# Altium PCB HeatPlatform_V1.1.PcbDoc
Units mil, origin at the board's own origin, x right, y up, seen from the top; angles counter-clockwise.
Board outline 2973.5 x 1681.07 mil, 2 copper layers (Top Layer, Bottom Layer); 33 components, 29 nets, 117 pads, 42 vias.
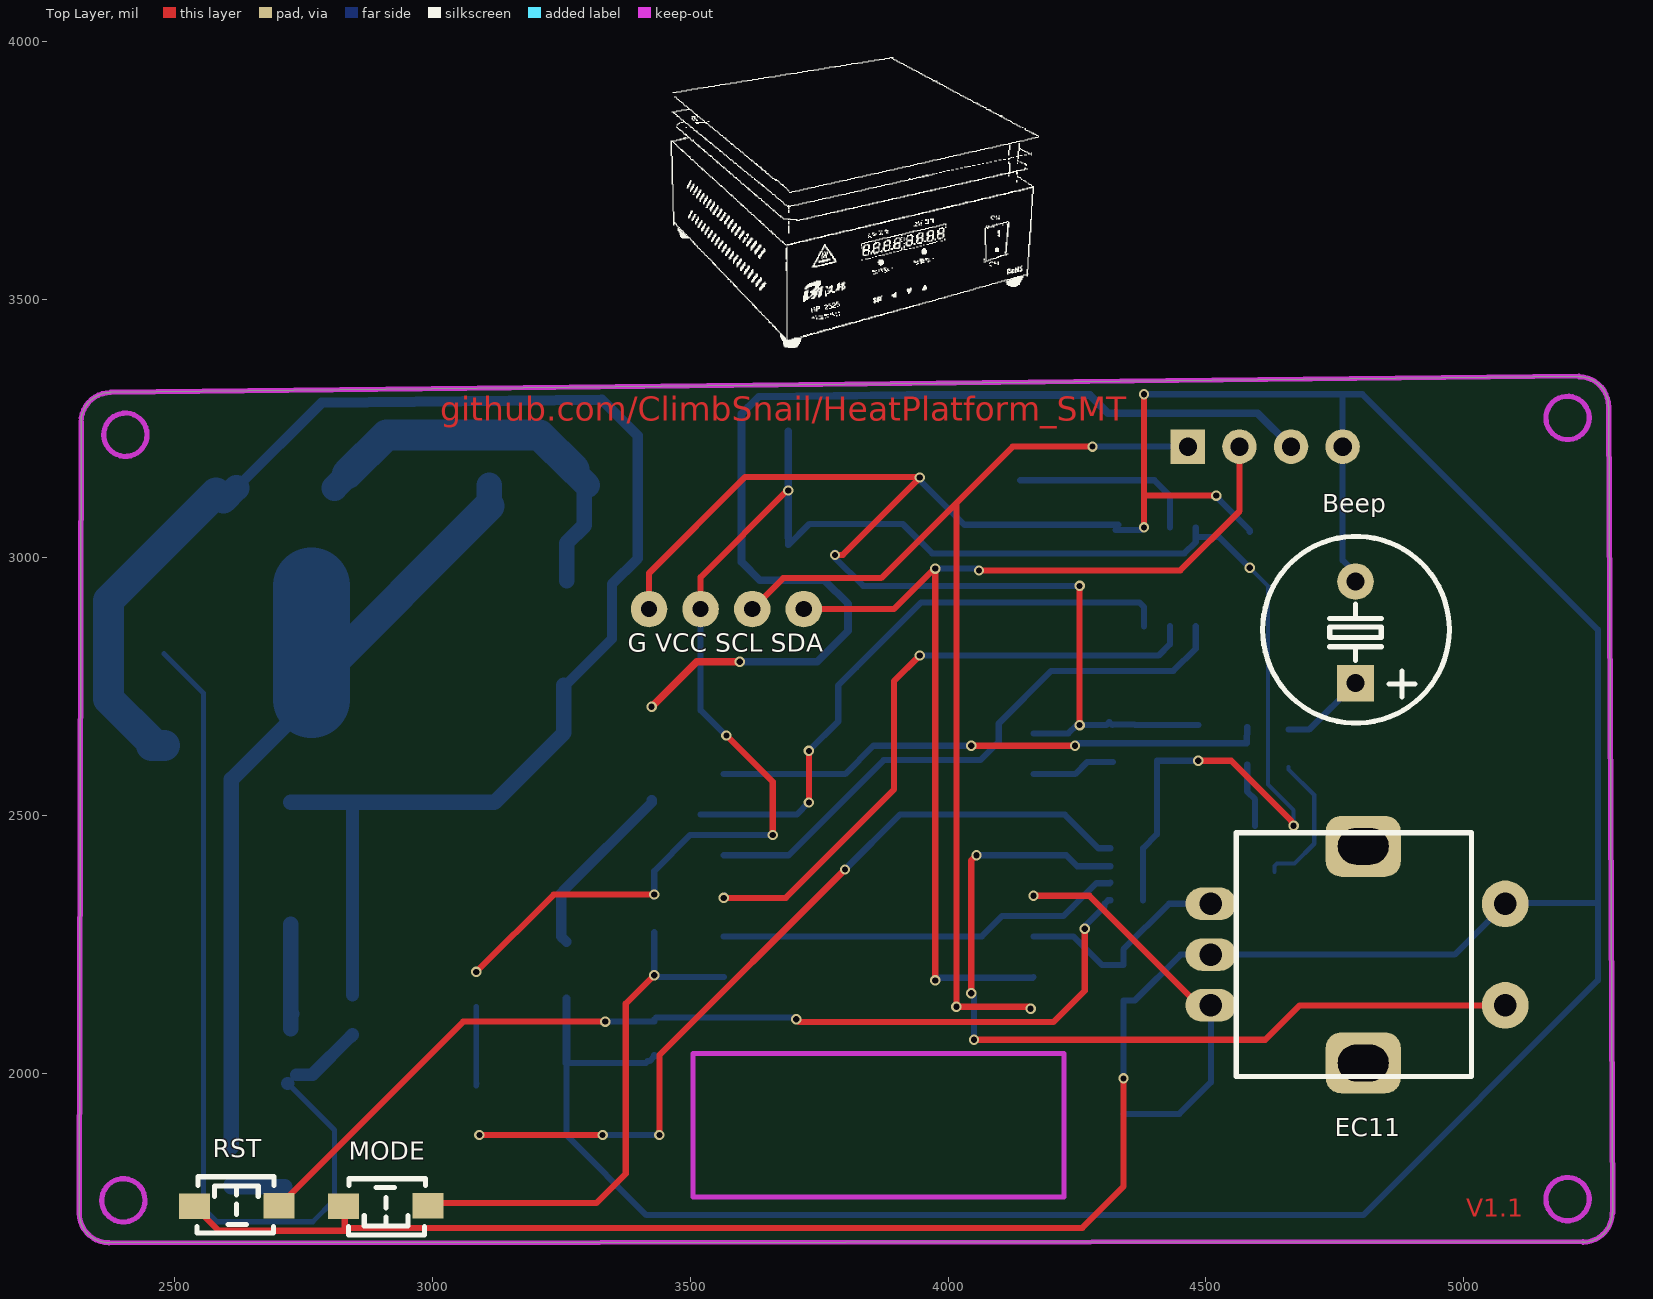
[diagram p0: Top Layer view]
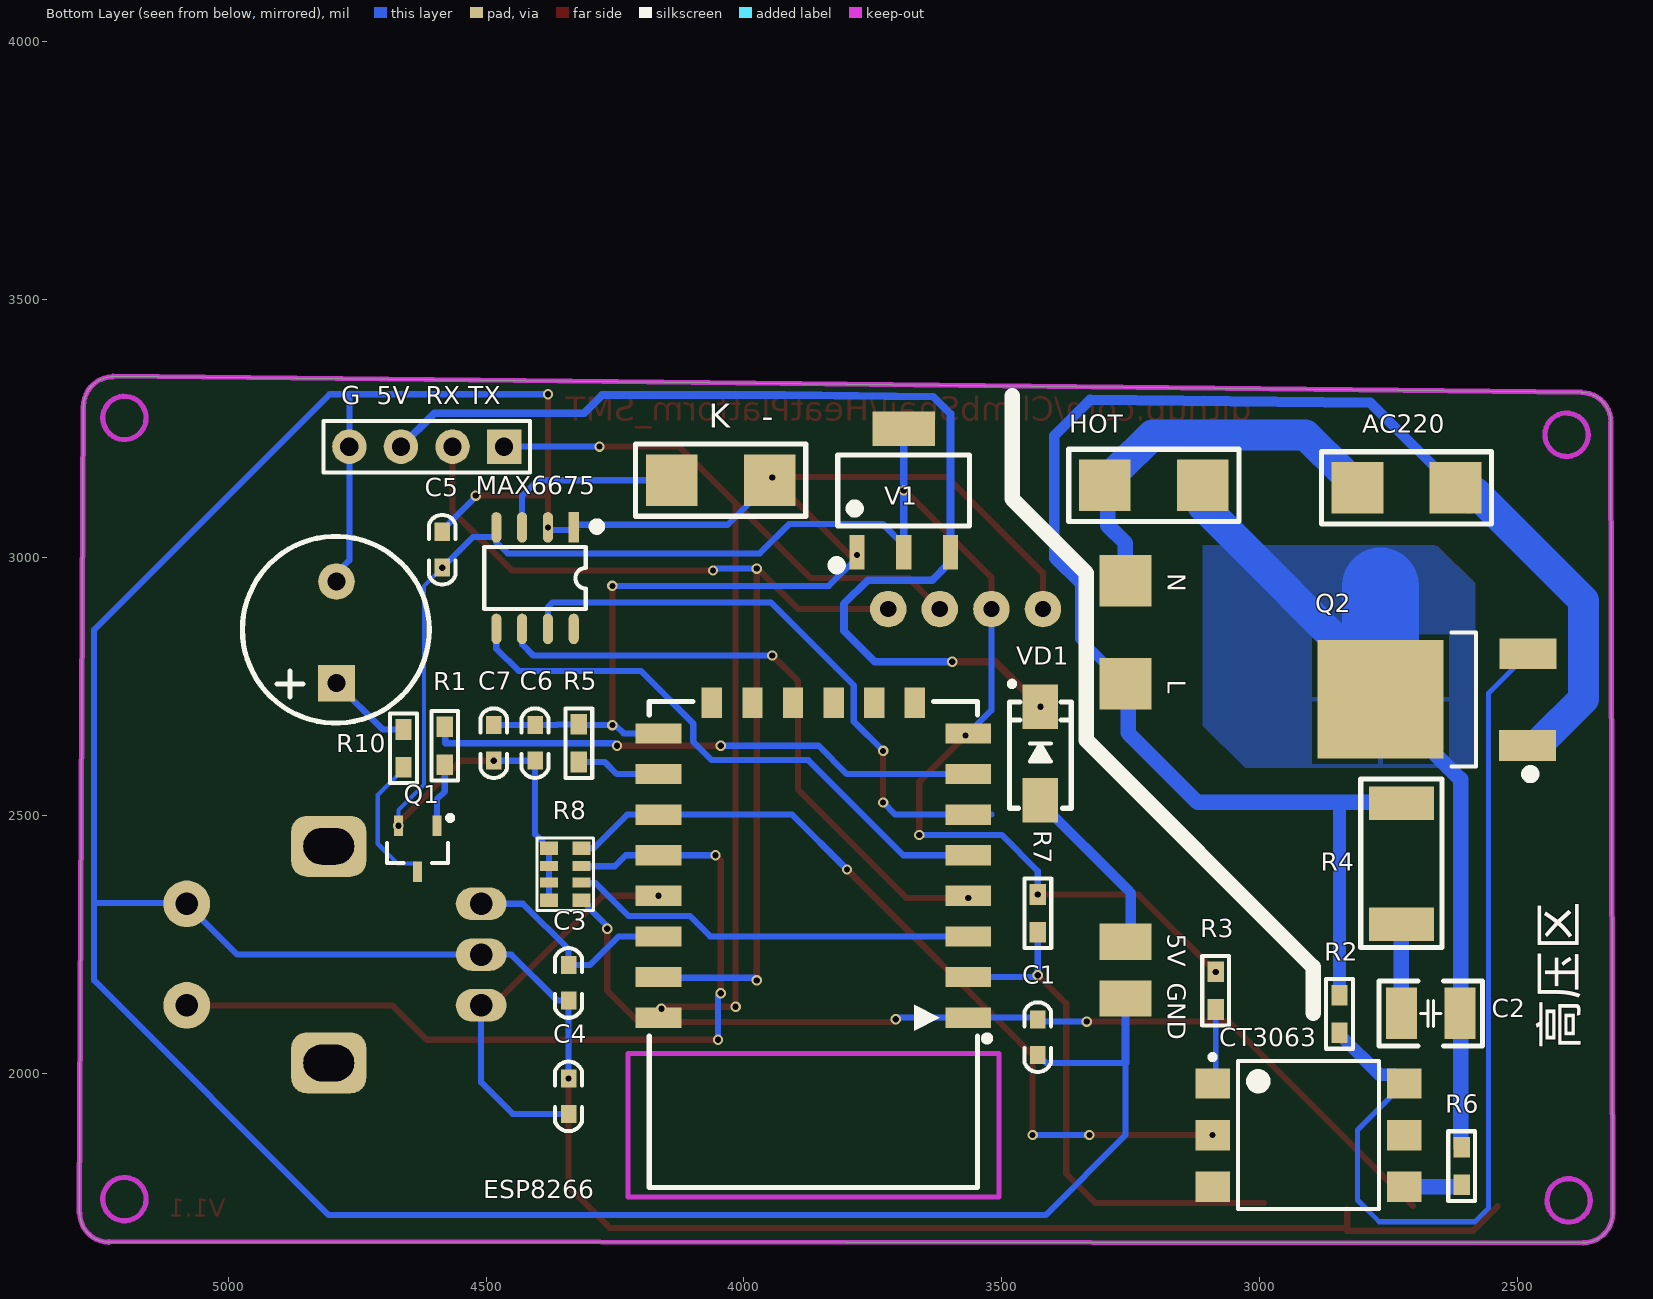
[diagram p1: Bottom Layer view, seen from below]

## Layer stack, top to bottom
Top Solder: solder mask 0.4, Solder Resist, Dk 3.5
Top Layer: signal copper 1.4
Dielectric 1: dielectric 12.6, FR-4, Dk 4.8
Bottom Layer: signal copper 1.4
Bottom Solder: solder mask 0.4, Solder Resist, Dk 3.5

## Board outline
2315.2,1728.46 ccw(c2372.55,1728.46) 2372.55,1671.1 2372.55,1670.77 5230.87,1673.63 5230.87,1672.08 ccw(c5230.87,1729.13) 5287.92,1729.13 5288.69,1729.13 5280.95,3293.49 5280.53,3293.49 ccw(c5223.43,3293.49) 5223.43,3350.59 5223.42,3351.84 2375.62,3320.5 2375.63,3319.85 ccw(c2375.63,3262.73) 2318.52,3262.73 2318.98,3262.87

## Design rules (kind name [scope] priority, off if disabled: settings)
Clearance [All] p1: gap=10 ignorepadtopadclearanceinfootprint=FALSE except(0: Arc-Hole Track-Hole SMDPad-Hole THPad-Hole Via-Hole Fill-Hole Poly-Hole Region-Hole Text-Hole)
HoleToHoleClearance [All] p1: gap=8 allowstackedmicrovias=TRUE
MinimumSolderMaskSliver [All] p1: minsoldermaskwidth=2
PolygonConnect [All] p1: connectstyle=Relief reliefconductorwidth=10 reliefentries=4 polygonreliefangle="90 Angle" airgapwidth=10
RoutingVias [All] p1: holewidth=12 width=20 viastyle="Through Hole" minholewidth=12 minwidth=20 maxholewidth=30 maxwidth=50
SilkToSilkClearance [All] p1: silktosilkclearance=5
SilkToSolderMaskClearance [IsPad] p1: minsilkscreentomaskgap=0 clearancetoexposedcopper=TRUE
SolderMaskExpansion [All] p1: expansion=4 istentingtop=FALSE
Width [All] p1: maxlimit=200 minlimit=6 preferedwidth=12
26 further rules are at their usual default settings.

## Components (designator, comment, footprint, x,y, rotation, side; value= is the part's Value field where it differs from the comment)
AC220 "HDR-1X2" HDR-1X2 2715,3140 r180 bottom (schematic designator JP1)
Beep "DC5V" "BEEP 5x9x5.5" 4790,2855 r0 top
C1 "104" "C 0603" 3430,2070 r90 bottom
C2 "10nF/1KV" "C 1210_L" 2668,2116 r0 bottom
C3 "104" "C 0603" 4340,2175 r270 bottom
C4 "104" "C 0603" 4340,1955 r270 bottom
C5 "104" "C 0603" 4585,3015 r270 bottom
C6 "104" "C 0603" 4405,2640.04 r270 bottom
C7 "10uF" "C 0603" 4485,2640.04 r270 bottom
CT3063 "CT3063" SMD-6 2905,1880 r180 bottom
EC11 "EC11" EC11 4795,2230 r180 top
ESP8266 "ESP8266-12E" ESP_12E 3550.24,2107.74 r0 bottom
"G  5V  RX TX" "Header4" HDR2.54-LI-4P 4615,3215 r0 bottom (schematic designator UART)
"G VCC SCL SDA" "OLED 0.96-12864_4pin" "OLED 0.96-12864_4pin" 3565,2340.55 r0 top (schematic designator OLED)
HOT "HDR-1X2" HDR-1X2 3205,3135 r0 bottom (schematic designator JP2)
"K   -" "HDR-1X2" HDR-1X2 4045,3145 r0 bottom (schematic designator JP3)
MAX6675 "MAX6675" SOP8_L 4405,2960 r270 bottom
MODE "3*4*2" "TSW SMD-3*4*2" 2910,1745 r180 top (schematic designator SW2)
"N           L                              5V  GND" "DA_PAN" DA_PAN 3255,2500 r90 bottom (schematic designator DA_PAN1)
Q1 "SS8550" SOT23-3L 4632.6,2435 r0 bottom
Q2 "BTA137_600E" TO252 2600,2725 r90 bottom
R1 "100R" "R 0603" 4580,2635 r270 bottom
R2 "330R" "R 0603" 2845,2115 r90 bottom
R3 "200R" "R 0603" 3085,2160 r90 bottom
R4 "39R/1W" "R 2512_L" 2725,2405 r90 bottom
R5 "1K" "R 0603" 4320,2640 r270 bottom
R6 "330R" "R 0603" 2608,1820 r270 bottom
R7 "10K" "R 0603" 3430,2310 r90 bottom
R8 "103" RCA-8P4R-0603 4346.5,2385.75 r270 bottom
R10 "1K" "R 0603" 4660,2630 r270 bottom
RST "3*4*2" "TSW SMD-3*4*2" 2620,1740 r0 top (schematic designator SW1)
V1 "AMS1117-3V3" SOT223_L 3690,3130 r180 bottom
VD1 "SS14" SMA 3425,2620 r90 bottom

## Footprints (in the part's own frame and the unit in brackets; to place one, negate y for a bottom-side part, rotate by r counter-clockwise, add the part's x,y. Pads: shape width x height; smd on the part's side, far side on the other; paste and mask are expansions set on the pad)
"BEEP 5x9x5.5" [mm] "5*9*5.5mm(脚距,直径,高度)"
  rect 1.8x1.8 hole 0.9: 1(0,-2.5)
  round 1.8 hole 0.9: 2(0,2.5)
  silkscreen extent -4.58,-4.47 4.62,4.72, body extent -4.5,-4.5 4.5,4.5, height 5.45
"C 0603" [mil] "无极性贴片电容"
  rect 35x30 smd: 1(-35,0) 2(34,0)
  silkscreen extent -67,-26 67,26, body extent -31,-16 31,16, height 32
"C 1210_L" [mil] "无极性贴片电容"
  rect 60x100 smd: 1(-57.09,0) 2(57.09,0)
  silkscreen extent -100,-63 100,63, body extent -63,-51 63,51, height 60
DA_PAN [mil]
  rect 100x100 smd: 1(455,5) 2(255,5)
  rect 70x100 smd: 3(-245,5) 4(-355,5)
EC11 [mm] "数字开关编码器"
  rrect50% 3.7x3 hole 1.8 slot 2.5 at 0 deg: 0(-0.254,5.334) 0(-0.254,-5.334)
  round 2.3 hole 1.1: 1(-7.25,2.5) 2(-7.25,-2.5)
  oval 2.5x1.6 hole 1.1: A(7.25,-2.5) B(7.25,2.5) C(7.25,0)
  silkscreen extent -5.59,-6 6,6, body extent -7.35,-6.24 7.45,6.24, height 22
ESP_12E [mm] "ESP-12 Wi-Fi Module by AI-Thinker"
  rect 2.25x1 smd: 1(0.375,0) 2(0.375,-2) 3(0.375,-4) 4(0.375,-6) 5(0.375,-8) 6(0.375,-10) 7(0.375,-12) 8(0.375,-14) 15(15.625,-14) 16(15.625,-12) 17(15.625,-10) 18(15.625,-8) 19(15.625,-6) 20(15.625,-4) 21(15.625,-2) 22(15.625,0)
  rect 1x1.5 smd: 9(3,-15.5) 10(5,-15.5) 11(7,-15.5) 12(9,-15.5) 13(11,-15.5) 14(13,-15.5)
  silkscreen extent -0.7,-15.57 16.08,8.37, body extent 0,-15.49 16,8.51, height 2.75
HDR2.54-LI-4P [mm] "排针，4脚"
  rect 1.7x1.7 hole 0.9: 1(-3.81,0)
  round 1.7 hole 0.9: 2(-1.27,0) 3(1.27,0) 4(3.81,0)
  silkscreen extent -5.08,-1.27 5.08,1.27, body extent -5.08,-1.27 5.08,1.27, height 8.5
HDR-1X2 [mil] "排针，2脚"
  rect 100x100 smd: 1(95,-5) 2(-95,-5)
  silkscreen extent -165,-75 165,65
"OLED 0.96-12864_4pin" [mm]
  round 1.8 hole 0.8: 1(-3.683,14.21) 2(-1.143,14.21) 3(1.397,14.21) 4(3.937,14.21)
"R 0603" [mil] "1/10W贴片电阻"
  rect 40x31.5 smd: 1(-36.5,0) 2(36.5,0)
  silkscreen extent -68,-26 68,26, body extent -31,-16 31,16, height 16
"R 2512_L" [mm] "1W贴片电阻"
  rect 1.65x3.2 smd: 1(-2.95,0) 2(3,0)
  silkscreen extent -4.1,-2 4.2,2, body extent -3.2,-1.6 3.2,1.6, height 0.55
RCA-8P4R-0603 [mm] "3.2mm*1.6mm*0.6mm(长*宽*厚)"
  rect 0.65x0.9 smd: 1(-1.28,-0.8) 4(1.28,-0.8) 5(1.28,0.8) 8(-1.28,0.8)
  rect 0.5x0.9 smd: 2(-0.4,-0.8) 3(0.4,-0.8) 6(0.4,0.8) 7(-0.4,0.8)
  silkscreen extent -1.78,-1.4 1.78,1.4, body extent -1.6,-0.8 1.6,0.8, height 0.6
SMA [mm] "4.5x2.6*2.2mm（长宽高，不包括引脚）"
  rect 2.2x1.75 smd: 1(-2.3,0) 2(2.3,0)
  silkscreen extent -2.7,-1.52 3.56,1.52, body extent -2.52,-1.3 2.57,1.3, height 2.15
SMD-6 [mm] "SOP, 6-Leads, Body 7.12x6.50mm, Pitch 2.54mm, IPC Medium Density"
  rect 1.7x1.5 smd: 1(-4.725,2.54) 2(-4.725,0) 3(-4.725,-2.54) 4(4.725,-2.54) 5(4.725,0) 6(4.725,2.54)
  silkscreen extent -4.85,-3.65 3.47,3.96, body extent -5.08,-3.65 5.07,3.65, height 4.6
SOP8_L [mm] "5*6*1.8mm（长宽高）"
  rect 1.5x0.5 smd: 1(-2.5,1.905)
  oval 1.5x0.5 smd: 2(-2.5,0.635) 3(-2.5,-0.635) 4(-2.5,-1.905) 5(2.5,-1.905) 6(2.5,-0.635) 7(2.5,0.635) 8(2.5,1.905)
  silkscreen extent -2.69,-2.5 1.52,3.2, body extent -3,-2.5 3,2.5, height 1.9
SOT23-3L [mm] "3x1.3x1mm(长宽高)"
  rect 0.45x1 smd: 1(-0.95,-1.143) 2(0.95,-1.143) 3(0,1.125)
  silkscreen extent -1.72,-1.65 1.5,0.7, body extent -1.5,-1.2 1.5,1.2, height 1.05
SOT223_L [mm] "6.4x7x1.6mm(长宽高)"
  rect 0.75x1.7 smd: 1(-2.3,-3.048) 2(0,-3.048) 3(2.3,-3.048)
  rect 3.1x1.7 smd: 2(0,3.048)
  silkscreen extent -3.5,-3.88 3.25,1.75, body extent -3.25,-3.51 3.25,3.51, height 1.65
TO252 [mil] "252晶体管"
  rect 60x110 smd: 1(-89.55,-119.77) 3(88.45,-120.77)
  rect 230x245 smd: 2(0,165.35)
  silkscreen extent -153,-133 130,28, body extent -128,-120 128,251, height 91
"TSW SMD-3*4*2" [mil] "3*4*2mm"
  rect 60x50 smd: 1(-81.69,1.97) 2(82.68,2.95)
  silkscreen extent -77,-50 73,59

## Part data
AC220 HOT "K   -": library part "Header 2", "2P接插件", BOM名称=2P接插件, 学习资源=www.ooocke.com, 版权归属=源创客
Beep: library part BEEP, "蜂鸣器", BOM名称=蜂鸣器, 学习资源=www.ooocke.com, 版权归属=源创客
C1 C2 C3 C4 C5 C6 C7: library part C, "无极性贴片电容", BOM名称=无极性贴片电容, 学习资源=www.ooocke.com, 版权归属=源创客
CT3063: "线性光耦（过零检测）", BOM名称=线性光耦, 学习资源=www.ooocke.com, 版权归属=源创客
EC11: "数字开关编码器", BOM名称=数字编码开关, 学习资源=www.ooocke.com, 版权归属=源创客
ESP8266: "串口 WIFI模块，ESP-12E", BOM名称=WIFI模块, 学习资源=www.ooocke.com, 版权归属=源创客
"G VCC SCL SDA": "12864 点阵屏"
MAX6675: "K型热电偶检测芯片", BOM名称=K型热电偶检测芯片, 学习资源=www.ooocke.com, 版权归属=源创客
MODE RST: library part "TSW 3x4", "3x4轻触开关", BOM名称=3x6轻触开关, 学习资源=www.ooocke.com, 版权归属=源创客
Q1: library part 8550-SMD, "高频放大-PNP型", BOM名称=高频放大-PNP型, 学习资源=www.ooocke.com, 属性="40V 1.5A 1W 100MHZ", 版权归属=源创客
Q2: library part BTA12_600, "双向可控硅", BOM名称=双向可控硅, 学习资源=www.ooocke.com, 版权归属=源创客
R1 R2 R3 R4 R5 R6 R7 R10: library part R, "贴片电阻", BOM名称=贴片电阻, 学习资源=www.ooocke.com, 版权归属=源创客
R8: library part R-8P4R, "贴片网络排阻", BOM名称=贴片网络排阻, 学习资源=www.ooocke.com, 版权归属=源创客
V1: library part AMS1117, "三端稳压芯片", BOM名称=稳压芯片, 学习资源=www.ooocke.com, 版权归属=源创客
VD1: "肖特基二极管", BOM名称=肖特基二极管, 学习资源=www.ooocke.com, 属性=40V/1A, 版权归属=源创客

## Via types
v1: diameter 20, hole 12, Top Layer to Bottom Layer, 42 vias

## Nets (pads, with @x,y where several pads share a name; then routed paths per layer and width w, separated by ;. In a path a pad name is that pad's centre, name@x,y a point inside that pad or via, vN(x,y) a via of type N, cw(c..) or ccw(c..) an arc to the next point about the centre after c; other vN are vias at no path point)
AC_N: "N           L                              5V  GND.1" AC220.2 HOT.1 | length 779.8
  Bottom Layer w30: 3260,2955 3260,3028 3294.57,3062.57 3294.57,3134.57 HOT.1
  Bottom Layer w50: AC220.2 2835,3160 AC220.2@2835,3162.5 ; HOT.1@3275,3171 3275,3165 HOT.1
  Bottom Layer w60: AC220.2@2835,3162.5 2910.5,3238 3208,3238 HOT.1@3275,3171
ADC: ESP8266.2 MODE.1 R7.1 | length 1034.6
  Top Layer w12: MODE.1@2991.69,1748.03 3318.03,1748.03 3375,1805 3375,2135 v1(3430,2190)
  Bottom Layer w12: R7.1 v1(3430,2190) 3431.53,2188.47 3437.19,2188.47 3439.18,2186.48 ESP8266.2
BEEP: ESP8266.7 R1.1 | length 1070.3
  Top Layer w12: v1(4045,2635) v1(4246,2635)
  Bottom Layer w12: ESP8266.7 3800.18,2580.18 3855,2635 v1(4045,2635) ; v1(4246,2635) 4251,2640 4579,2640 R1.1
BOOT: EC11.1 ESP8266.18 R8.7 | length 1690.7
  Top Layer w12: v1(4045,2155) 4045,2412.7 v1(4055,2422.7) ; v1(4050,2065) 4615,2065 4681.57,2131.57 EC11.1
  Bottom Layer w12: v1(4045,2155) 4050,2150 v1(4050,2065) ; v1(4055,2422.7) ESP8266.18 4229,2422.7 4250.2,2401.5 R8.7
EC11_A: C3.1 EC11.A ESP8266.20 | length 433.7
  Bottom Layer w12: ESP8266.20 4243.01,2265.22 4298.23,2210 C3.1 4340,2240 4428.43,2328.43 EC11.A
EC11_B: C4.2 EC11.B ESP8266.19 | length 776.2
  Top Layer w12: v1(4165.39,2343.96) 4274.04,2343.96 4486.43,2131.57 EC11.B
  Bottom Layer w12: C4.2 4448,1921 4509.57,1982.57 EC11.B
EN: ESP8266.3 R8.6 | length 793.4
  Bottom Layer w12: ESP8266.3 4065.22,2265.22 4105,2305 4224,2305 4240,2321 4287.49,2368.49 4313.49,2368.49 R8.6
GPIO2: CT3063.2 ESP8266.17 R8.8 | length 1599.2
  Top Layer w12: v1(3091.02,1880) v1(3330,1880) ; v1(3440,1880) 3440,2035 v1(3800,2395)
  Bottom Layer w12: v1(3330,1880) v1(3440,1880) ; v1(3800,2395) 3906.44,2501.44 ESP8266.17 4226,2501.44 4291.3,2436.14 R8.8
K+: "K   -.1" MAX6675.3 | length 364
  Bottom Layer w12: 4140,3150 4400,3150 4430,3120 MAX6675.3
K-: "G  5V  RX TX.4" "G VCC SCL SDA.1" "K   -.2" "N           L                              5V  GND.4" Beep.2 C1.1 C3.2 C4.1 C5.1 C6.1 C7.1 EC11.2 EC11.C ESP8266.15 MAX6675.1 MAX6675.2 MODE.2 R5.1 RST.1 V1.1 | length 11044.7
  Top Layer w12: RST.1 2585.65,1694.63 2830,1694.63 2830,1700 ; MODE.2@2830,1736.01 2830,1700 ; 3420,2900 3420,2970 3606,3156 3944,3156 v1(3945,3155) ; v1(3780.55,3005) 3795.55,3005 v1@3939.02,3148.47 ; v1(4255,2675) v1(4255,2945) ; v1(4340,1990) 4340,1780 4260,1700 2830,1700 ; v1@4380,3057.85 v1(4380,3058.43) 4380,3120 ; v1(4380,3316.5) 4380,3120 ; v1(4520,3120) 4380,3120
  Bottom Layer w12: C1.1 3430,2032.5 3421,2023.5 3417.47,2023.5 3413.97,2020 3260,2020 3260,1880 3415,1725 4805,1725 5260,2180 5260,2330 ; V1.1 v1(3780.55,3005) 3780.55,2999.45 3835,2945 v1(4255,2945) ; v1(3945,3155) 3945,3150 4031.57,3063.43 MAX6675.1@4330,3063.43 ; ESP8266.15 4233,2658.92 4249.08,2675 v1(4255,2675) 4306.67,2675 4312.59,2680.91 4318.5,2675 R5.1 4361,2676.5 4362.46,2675.04 C6.1 C7.1 ; MAX6675.1@4325,3053.43 MAX6675.2@4375,3053.43 ; v1(4340,1990) C3.2 4362,2141 4451,2230 EC11.C 4982.01,2230 5082.01,2330 5260,2330 ; v1(4380,3316.5) 4765,3316.5 ; v1(4520,3120) 4521.53,3118.47 4521.53,3115.97 4585,3052.5 C5.1 ; Beep.2 4790,2969.36 4765,2994.36 4765,3215 4765,3316.5 ; 4765,3316.5 4803.5,3316.5 5260,2860 5260,2330
  Bottom Layer w15: 3260,2020 3260,2145
L_IN: "N           L                              5V  GND.2" AC220.1 Q2.1 R2.2 R4.2 | length 3139.3
  Bottom Layer w20: AC220.1 2785,3300 3328.02,3305.98 3333.97,3300.03 3398,3236 3398,2998 3348,2948 3348,2842 3258,2752
  Bottom Layer w25: R2.2 2845,2525
  Bottom Layer w30: R4.2@2725,2525 2845,2525 3120,2525 3255,2660 3255,2752
  Bottom Layer w50: AC220.1@2595,3110 AC220.1
  Bottom Layer w60: Q2.1 2455.23,2635.45 2455.23,2642.77 2372,2726 2372,2917 AC220.1@2580,3125
MAX6675_CS: ESP8266.4 MAX6675.6 | length 1231.8
  Top Layer w12: v1(3565,2340) 3685,2340 3895,2550 3895,2760 v1(3945,2810)
  Bottom Layer w12: v1(3565,2340) ESP8266.4 ESP8266.4@3566.04,2345 ; v1(3945,2810) 4408,2810 4430,2832 MAX6675.6@4430,2866.57
NetBeep_1: Beep.1 R10.1 | length 167.3
  Bottom Layer w12: R10.1 4699.93,2666.5 Beep.1
NetC2_1: C2.1 HOT.2 Q2.2 R6.1 | length 1709.8
  Bottom Layer w30: R6.1@2610,1856.5 2610,2116 2610,2569.65 Q2.2
  Bottom Layer w50: HOT.2@3110,3100 HOT.2
  Bottom Layer w60: Q2.2@2770,2760 HOT.2@3110,3100
  Bottom Layer w100: Q2.2@2770,2729.65 Q2.2@2770,2760
  Bottom Layer w120: Q2.2 2766,2725.65 Q2.2@2770,2729.65
  Bottom Layer w150: Q2.2 2765.35,2944.21
NetC2_2: C2.2 R4.1 | length 204.7
  Bottom Layer w30: R4.1 2725,2117.09 C2.2@2727.09,2115 ; C2.2@2725.09,2086 C2.2
NetCT3063_1: CT3063.1 R3.1 | length 155.4
  Bottom Layer w10: CT3063.1@3085,1975 CT3063.1@3085,1981.02 ; R3.1@3085,2128.94 R3.1 CT3063.1@3085,1981.02 ; CT3063.1@3086.02,1980 CT3063.1@3085,1981.02
NetCT3063_4: CT3063.4 R6.2 | length 104.2
  Bottom Layer w30: R6.2@2610,1780 CT3063.4@2713.21,1780 ; R6.2@2610,1782.5 R6.2@2610,1783.5
NetCT3063_6: CT3063.6 Q2.3 R2.1 | length 1795.8
  Bottom Layer w10: Q2.3 2556,2736.68 2556,1738 2582,1712 2768,1712 2810,1754 2810,1890 CT3063.6@2720,1980
  Bottom Layer w25: CT3063.6 CT3063.6@2720,1980 ; CT3063.6@2736,1997.03 2767.03,1997.03 2841,2071 2841.75,2071 2845.21,2074.46 R2.1@2845.21,2075.21
NetESP8266_16: ESP8266.16 R5.2 | length 164.3
  Bottom Layer w12: ESP8266.16 4246.18,2580.18 4269.5,2603.5 R5.2
NetQ1_1: Q1.1 R1.2 | length 124.8
  Bottom Layer w12: R1.2 4580,2546.2 4595.2,2531 Q1.1
NetQ1_3: Q1.3 R10.2 | length 275.4
  Bottom Layer w8: Q1.3 4632.6,2401.53 4637.46,2406.39 4671.39,2406.39 4710,2445 4710,2539.25 4660,2589.25 R10.2
OLED_CLK: "G  5V  RX TX.1" "G VCC SCL SDA.3" ESP8266.22 | length 2097.1
  Top Layer w12: 3620,2900 3680,2960 3870,2960 4125,3215 v1(4280,3215) ; 4016,3105 v1(4016,2129) 4156,2129 v1(4160,2125)
  Bottom Layer w12: v1(4280,3215) 4465,3215
OLED_SDA: "G  5V  RX TX.2" "G VCC SCL SDA.4" ESP8266.21 | length 2042.2
  Top Layer w12: 3720,2900 3895,2900 3973.45,2978.45 v1(3975,2978.45) ; v1@3973.7,2975 3971.53,2972.84 3971.53,2971.3 3975,2967.84 v1(3975,2180) ; v1@3975,2975 v1@3975,2981.9 ; v1@4066.71,2975 4450,2975 4565,3090 4565,3215
  Bottom Layer w12: v1(3975,2180) 3980,2185 4163.92,2185 ESP8266.21 ; v1(3975,2978.45) 4056.55,2978.45 v1(4060,2975)
REST: C1.2 ESP8266.1 R8.5 RST.2 | length 1939.6
  Top Layer w12: RST.2 3059.73,2100 v1(3335,2100) ; v1(3705.5,2104.5) 3711,2099 4204,2099 4265,2160 v1(4265,2280)
  Bottom Layer w12: v1(3335,2100) C1.2@3430,2100 ; C1.2 3433.74,2107.74 ESP8266.1 3702.26,2107.74 v1(3705.5,2104.5) ; v1(4265,2280) 4266.53,2281.53 4266.53,2286.88 4303.28,2323.64 4303.28,2328.56 4310.08,2335.35 R8.5
SPI_MISO: ESP8266.6 MAX6675.7 | length 1171.2
  Top Layer w12: v1(3730,2525) v1(3730,2625)
  Bottom Layer w12: 3520,2501.44 ESP8266.6 3706.44,2501.44 v1(3730,2525) ; v1(3730,2625) 3787,2682 3787,2752 3822,2787 3948,2913 4371,2913 4380,2904 MAX6675.7@4380,2866.57
SPI_SCLK: ESP8266.5 MAX6675.5 | length 1145
  Bottom Layer w12: ESP8266.5 3690.7,2422.7 3875.18,2607.18 4062.18,2607.18 4098,2643 4098,2678.13 4199.87,2780 4437,2780 4480,2823 MAX6675.5@4480,2866.57
VCC_3.3: "G VCC SCL SDA.2" C5.2 C6.2 C7.2 ESP8266.8 MAX6675.4 Q1.2 R3.2 R7.2 R8.1 R8.2 R8.3 R8.4 V1.2 | length 3863.9
  Top Layer w12: v1(3085,2196.5) 3235,2346.5 v1(3430,2346.5) ; 3520,2900 3520,2962 3688,3130 v1(3690,3130) ; v1(3570,2655) 3660,2565 v1(3660,2462) ; v1(4485,2606.04) 4548.96,2606.04 4666,2489 4666,2486.16 4670,2482.16 v1(4670,2480)
  Bottom Layer w8: v1(4585,2980) 4620,2945 4620,2560 4670,2510 v1(4670,2480)
  Bottom Layer w12: R7.2@3430,2342 v1(3430,2346.5) 3430,2392 3500,2462 v1(3660,2462) ; 3520,2900 3520,2703.92 ESP8266.8 ; V1.2@3690,3039 3690,3024 3731,3065 3912,3065 3969,3008 4458,3008 4480,3030 MAX6675.4@4480,3040 ; R8.4 R8.3 R8.2 R8.1 4405,2463.15 C6.2 v1(4485,2606.04) ; MAX6675.4 MAX6675.4@4480,3040 ; v1(4585,2980) 4525,3040 MAX6675.4@4480,3040
  Bottom Layer w15: V1.2@3690,3039 v1(3690,3130) V1.2@3690,3245
VCC_5: "G  5V  RX TX.3" V1.3 VD1.2 | length 2142.4
  Top Layer w15: v1(3425,2710.55) 3512.45,2798 v1(3596,2798)
  Bottom Layer w15: v1(3596,2798) 3746,2798 3806,2858 3806,2910 3760,2956 3634.75,2956 3599.45,2991.3 V1.3 3599.45,3278.68 3611.48,3290.71 3632.59,3311.83 3920.62,3315 4275,3315 4310,3280 4600,3280 4665,3215
VCC_IN: "N           L                              5V  GND.3" VD1.1 | length 350.9
  Bottom Layer w20: 3260,2255 3250,2265 3250,2349.41 3255,2355 3425,2525 VD1.1
pads on no net: CT3063.3 CT3063.5 EC11.0 ESP8266.9 ESP8266.10 ESP8266.11 ESP8266.12 ESP8266.13 ESP8266.14 MAX6675.8

## Polygon pours and split planes (outlines as drawn)
NetC2_1 on Bottom Layer "NETC2_1_L02_P010" (solid, pour order 10): 2654,3022 2582,2950 2582,2592 3028,2592 3110,2674 3110,3024 2660,3024 2658,3022
no net on Bottom Layer "NONET_L02_P003" (solid, pour order 3): 3205,2860
no net on Bottom Solder "NONET_L02_P-001" (solid): 3052,2964 3050,2964 2926,2840 2926,2614 3018,2614 3084,2680 3084,2996 3058,2970 3052,2966
no net on Bottom Solder "NONET_L02_P-001" (solid): 2680,2994 2634,2948 2634,2888 2646,2876 2800,2876 2918,2994

## Keep-outs
Keep-Out Layer:
  lines w10: 2315.2,1728.46 ccw(c2372.55,1728.46) 2372.55,1671.1 ; 2315.2,1728.6 2318.98,3262.87 ; 2318.52,3262.73 cw(c2375.63,3262.73) 2375.63,3319.85 ; 2372.55,1670.77 5230.87,1673.63 ; 2375.62,3320.5 5223.42,3351.84 ; 2442.6,1753.45 cw(c2400.6,1753.45) 2442.59,1754.4 ; 2446.61,3238.08 cw(c2404.61,3238.08) 2446.59,3239.03 ; 5223.43,3350.59 cw(c5223.43,3293.49) 5280.53,3293.49 ; 5230.87,1672.08 ccw(c5230.87,1729.13) 5287.92,1729.13 ; 5243.17,1755.75 cw(c5201.17,1755.75) 5243.16,1756.7 ; 5243.17,3270.75 cw(c5201.17,3270.75) 5243.16,3271.7 ; 5280.95,3293.49 5288.69,1729.13 ; 3505,1760 3505,2038.11 4225,2038.11 4225,1760 3505,1760

## Other copper
Top Layer:
  text "github.com/ClimbSnail/HeatPlatform_SMT" at 3015,3250.02 h80
  text "V1.1" at 5005.06,1710 h60

## Silkscreen, mask and mechanical layers (free items; w line width, h text height)
Top Overlay:
  drawing of 2784 lines, arcs and shapes, not listed
Bottom Overlay:
  lines w30: 2896,2116 2896,2206 3336,2646 3336,2970 3480,3114 3480,3314
  text "高压区" at 2362.41,2046.44 h120 r270
Top Solder:
  text "github.com/ClimbSnail/HeatPlatform_SMT" at 3015,3250.02 h80
  text "V1.1" at 5005.06,1710 h60
Bottom Solder:
  lines w50: 2590,3135 2620,3135 ; 3110,3100 3110,3140
  lines w60: 2455.5,2660.5 2437.5,2660.5 2372,2726 2372,2917 2590,3135 ; 2740,2730 3110,3100 ; 2810,3137.5 2910.5,3238 3207,3238 3300,3145

## Dimensions
2375.62,3320.5 to 2372.55,1670.77 on Mechanical 1
2315.2,1728.6 to 5288.69,1729.13 on Mechanical 1

## Text inside footprints (layer, text, board x,y; h text height)
ESP8266: Mechanical 13 "CUTOUT POLYGON" at 3555.24,1817.74 h10 r180; Mechanical 13 "ANTENNA AREA" at 3555.24,1797.74 h10 r180